# KiCad board FrontEnd_5G.kicad_pcb (continued)
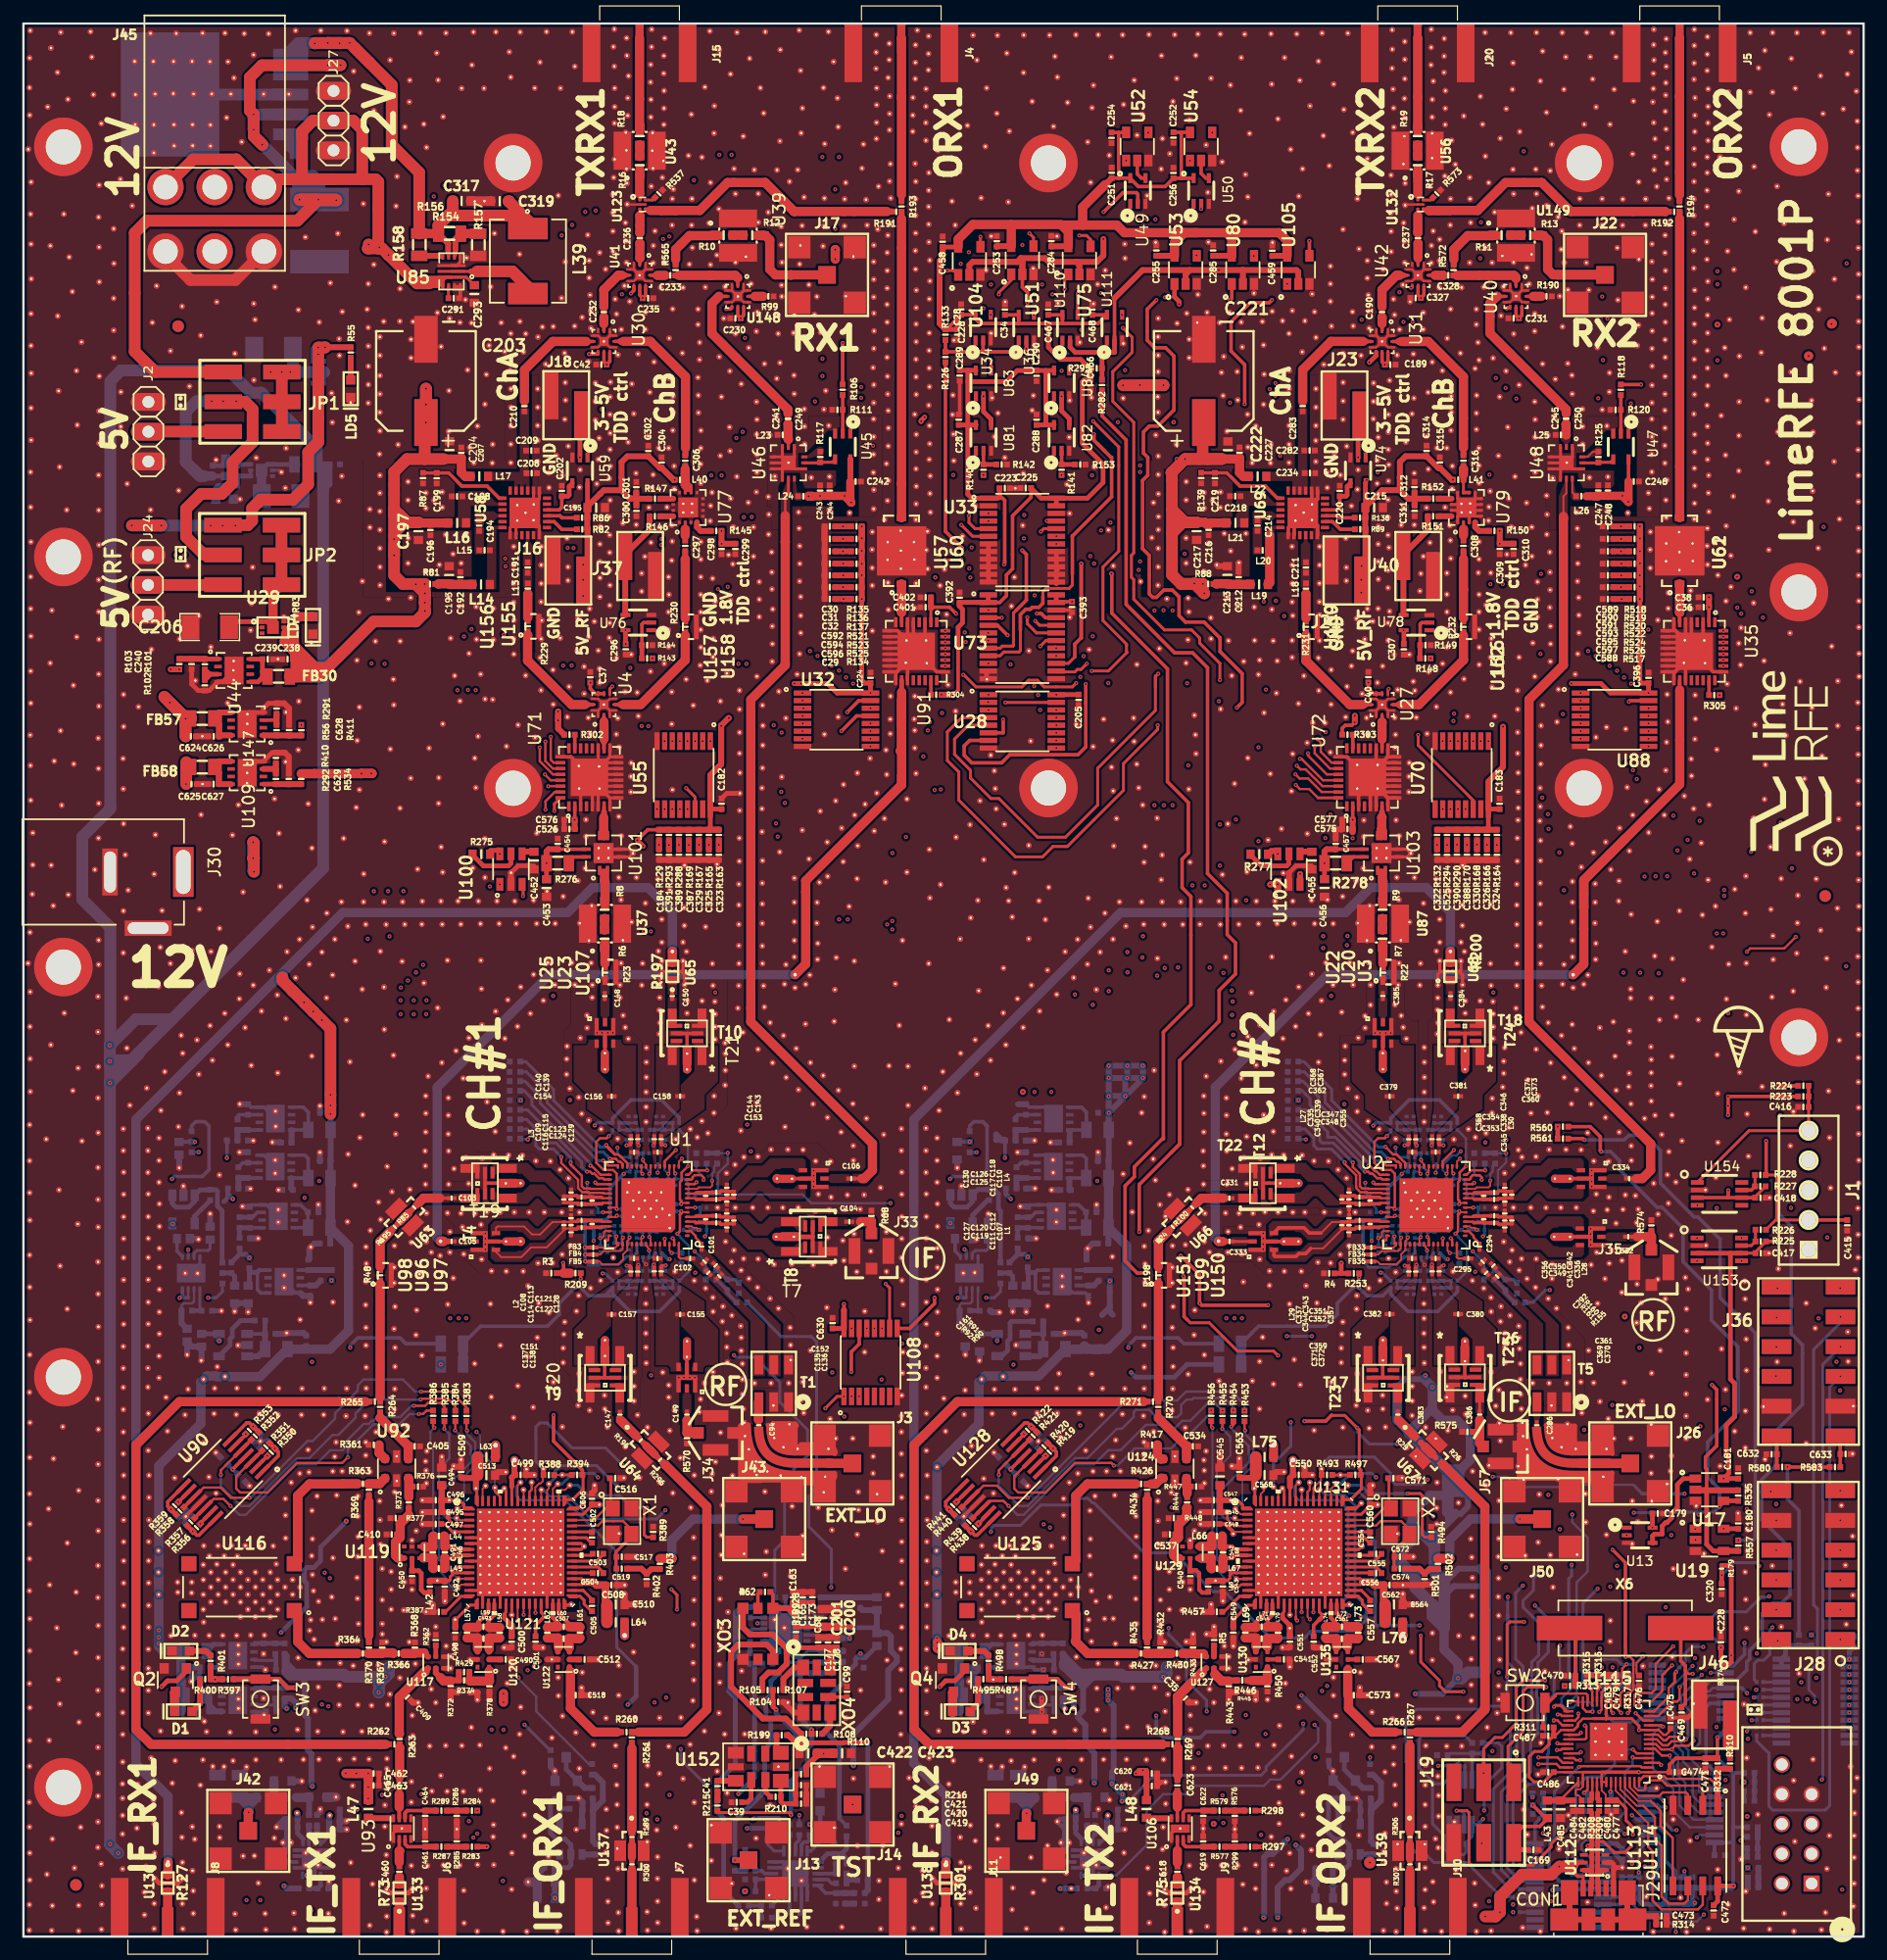
[diagram p0: board, top side]
## Placement (name value [footprint] x y rotation side) (continued)
Ref**#209  Val**  [VIA_600_400]  45.11 33.17 0 top
Ref**#210  Val**  [VIA_600_400]  35.21 19.97 0 top
Ref**#211  Val**  [VIA_600_400]  44.35 33.17 0 top
Ref**#212  Val**  [VIA_600_400]  41.31 21.61 0 top
Ref**#213  Val**  [VIA_600_400]  43.58 33.17 0 top
Ref**#214  Val**  [VIA_600_400]  42.46 19.58 0 top
Ref**#215  Val**  [VIA_600_400]  42.83 33.17 0 top
Ref**#216  Val**  [VIA_600_400]  45.68 20.55 0 top
Ref**#217  Val**  [VIA_600_400]  42.07 33.17 0 top
Ref**#218  Val**  [VIA_600_400]  45.66 22.11 0 top
Ref**#219  Val**  [VIA_600_400]  41.3 33.17 0 top
Ref**#220  Val**  [VIA_600_400]  33.47 23.28 0 top
Ref**#221  Val**  [VIA_600_400]  40.55 33.17 0 top
Ref**#222  Val**  [VIA_600_400]  32.21 23.22 0 top
Ref**#223  Val**  [VIA_600_400]  39.79 33.17 0 top
Ref**#224  Val**  [VIA_600_400]  30.31 23.15 0 top
Ref**#225  Val**  [VIA_600_400]  39.02 33.17 0 top
Ref**#226  Val**  [VIA_600_400]  32.15 22.08 0 top
Ref**#227  Val**  [VIA_600_400]  45.87 33.93 0 top
Ref**#228  Val**  [VIA_600_400]  31.3 20.68 0 top
Ref**#229  Val**  [VIA_600_400]  45.11 33.93 0 top
Ref**#230  Val**  [VIA_600_400]  31.12 19.79 0 top
Ref**#231  Val**  [VIA_600_400]  44.35 33.93 0 top
Ref**#232  Val**  [VIA_600_400]  29.73 19.72 0 top
Ref**#233  Val**  [VIA_600_400]  43.58 33.93 0 top
Ref**#234  Val**  [VIA_600_400]  26.96 19.77 0 top
Ref**#235  Val**  [VIA_600_400]  42.83 33.93 0 top
Ref**#236  Val**  [VIA_600_400]  28.56 19.77 0 top
Ref**#237  Val**  [VIA_600_400]  42.07 33.93 0 top
Ref**#238  Val**  [VIA_600_400]  26.98 21.43 0 top
Ref**#239  Val**  [VIA_600_400]  41.3 33.93 0 top
Ref**#240  Val**  [VIA_600_400]  29.36 23.13 0 top
Ref**#241  Val**  [VIA_600_400]  40.55 33.93 0 top
Ref**#242  Val**  [VIA_600_400]  46.77 28.35 0 top
Ref**#243  Val**  [VIA_600_400]  39.79 33.93 0 top
Ref**#244  Val**  [VIA_600_400]  48.63 19.14 0 top
Ref**#245  Val**  [VIA_600_400]  39.02 33.93 0 top
Ref**#246  Val**  [VIA_600_400]  45.87 34.7 0 top
Ref**#247  Val**  [VIA_600_400]  52.1 24.28 0 top
Ref**#248  Val**  [VIA_600_400]  45.11 34.7 0 top
Ref**#249  Val**  [VIA_600_400]  50.84 23.14 0 top
Ref**#250  Val**  [VIA_600_400]  44.35 34.7 0 top
Ref**#251  Val**  [VIA_600_400]  47.72 22.54 0 top
Ref**#252  Val**  [VIA_600_400]  43.58 34.7 0 top
Ref**#253  Val**  [VIA_600_400]  42.83 34.7 0 top
Ref**#254  Val**  [VIA_600_400]  49.75 18.64 0 top
Ref**#255  Val**  [VIA_600_400]  42.07 34.7 0 top
Ref**#256  Val**  [VIA_600_400]  52.2 18.67 0 top
Ref**#257  Val**  [VIA_600_400]  41.3 34.7 0 top
Ref**#258  Val**  [VIA_600_400]  40.55 34.7 0 top
Ref**#259  Val**  [VIA_600_400]  39.79 34.7 0 top
Ref**#260  Val**  [VIA_600_400]  39.02 34.7 0 top
Ref**#261  Val**  [VIA_600_400]  45.87 35.46 0 top
Ref**#262  Val**  [VIA_600_400]  45.11 35.46 0 top
Ref**#263  Val**  [VIA_600_400]  44.35 35.46 0 top
Ref**#264  Val**  [VIA_600_400]  43.58 35.46 0 top
Ref**#265  Val**  [VIA_600_400]  42.83 35.46 0 top
Ref**#266  Val**  [VIA_600_400]  42.07 35.46 0 top
Ref**#267  Val**  [VIA_600_400]  41.3 35.46 0 top
Ref**#268  Val**  [VIA_600_400]  40.55 35.46 0 top
Ref**#269  Val**  [VIA_600_400]  39.79 35.46 0 top
Ref**#270  Val**  [VIA_600_400]  39.02 35.46 0 top
Ref**#271  Val**  [VIA_600_400]  45.87 36.22 0 top
Ref**#272  Val**  [VIA_600_400]  45.11 36.22 0 top
Ref**#273  Val**  [VIA_600_400]  44.35 36.22 0 top
Ref**#274  Val**  [VIA_600_400]  43.58 36.22 0 top
Ref**#275  Val**  [VIA_600_400]  42.83 36.22 0 top
Ref**#276  Val**  [VIA_600_400]  42.07 36.22 0 top
Ref**#277  Val**  [VIA_600_400]  41.3 36.22 0 top
Ref**#278  Val**  [VIA_600_400]  40.55 36.22 0 top
Ref**#279  Val**  [VIA_600_400]  39.79 36.22 0 top
Ref**#280  Val**  [VIA_600_400]  39.02 36.22 0 top
Ref**#281  Val**  [VIA_600_400]  36.83 34.49 0 top
Ref**#282  Val**  [VIA_600_400]  38.64 38.25 0 top
Ref**#283  Val**  [VIA_600_400]  41.06 38.25 0 top
Ref**#284  Val**  [VIA_600_400]  43.4 38.76 0 top
Ref**#285  Val**  [VIA_600_400]  47.79 36.98 0 top
Ref**#286  Val**  [VIA_600_400#9]  41.93 40.66 0 top
Ref**#287  Val**  [VIA_600_400]  46.01 39.4 0 top
Ref**#288  Val**  [VIA_600_400]  48.77 38.51 0 top
Ref**#289  Val**  [VIA_600_400]  37.08 29.74 0 top
Ref**#290  Val**  [VIA_600_400]  37.12 30.51 0 top
Ref**#291  Val**  [VIA_600_400]  36.99 35.71 0 top
Ref**#292  Val**  [VIA_600_400]  37.05 36.54 0 top
Ref**#293  Val**  [VIA_600_400]  39.46 38.46 0 top
Ref**#294  Val**  [VIA_600_400]  40.26 38.31 0 top
Ref**#295  Val**  [VIA_600_400]  42.7 38.13 0 top
Ref**#296  Val**  [VIA_600_400]  42.45 38.76 0 top
Ref**#297  Val**  [VIA_600_400]  41.19 39.64 0 top
Ref**#298  Val**  [VIA_600_400#9]  40.31 41.93 0 top
Ref**#299  Val**  [VIA_600_400]  43.61 39.39 0 top
Ref**#300  Val**  [VIA_600_400]  44.4 39.91 0 top
Ref**#301  Val**  [VIA_600_400]  44.23 38.13 0 top
Ref**#302  Val**  [VIA_600_400]  44.87 38.63 0 top
Ref**#303  Val**  [VIA_600_400]  45.63 38.63 0 top
Ref**#304  Val**  [VIA_600_400]  46.65 38.51 0 top
Ref**#305  Val**  [VIA_600_400]  49.18 36.86 0 top
Ref**#306  Val**  [VIA_600_400]  51.27 39.14 0 top
Ref**#307  Val**  [VIA_600_400]  52.24 32.41 0 top
Ref**#308  Val**  [VIA_600_400]  50.85 34.39 0 top
Ref**#309  Val**  [VIA_600_400]  35.34 30.38 0 top
Ref**#310  Val**  [VIA_600_400]  36.36 36.22 0 top
Ref**#311  Val**  [VIA_600_400]  42.96 39.89 0 top
Ref**#312  Val**  [VIA_600_400]  48.35 44.91 0 top
Ref**#313  Val**  [VIA_600_400]  46.02 43.5 0 top
Ref**#314  Val**  [VIA_600_400]  36.36 37.24 0 top
Ref**#315  Val**  [VIA_600_400]  103.82 40.8 0 top
Ref**#316  Val**  [VIA_600_400]  103.19 40.16 0 top
Ref**#317  Val**  [VIA_600_400#9]  106.75 41.94 0 top
Ref**#318  Val**  [VIA_600_400]  105.92 38.37 0 top
Ref**#319  Val**  [VIA_600_400]  107.64 39.65 0 top
Ref**#320  Val**  [VIA_600_400]  106.74 38.38 0 top
Ref**#321  Val**  [VIA_600_400]  102.17 41.17 0 top
Ref**#322  Val**  [VIA_600_400]  107.5 38.25 0 top
Ref**#323  Val**  [VIA_600_400]  105.1 38.25 0 top
Ref**#324  Val**  [VIA_600_400]  108.9 38.76 0 top
Ref**#325  Val**  [VIA_600_400]  109.15 38.13 0 top
Ref**#326  Val**  [VIA_600_400]  110.05 39.39 0 top
Ref**#327  Val**  [VIA_600_400]  109.84 38.75 0 top
Ref**#328  Val**  [VIA_600_400]  110.68 38.13 0 top
Ref**#329  Val**  [VIA_600_400]  111.31 38.63 0 top
Ref**#330  Val**  [VIA_600_400]  112.08 38.63 0 top
Ref**#331  Val**  [VIA_600_400]  113.1 38.51 0 top
Ref**#332  Val**  [VIA_600_400]  112.46 39.39 0 top
Ref**#333  Val**  [VIA_600_400]  109.41 40.03 0 top
Ref**#334  Val**  [VIA_600_400]  114.91 43.38 0 top
Ref**#335  Val**  [VIA_600_400]  110.84 39.91 0 top
Ref**#336  Val**  [VIA_600_400]  114.24 36.98 0 top
Ref**#337  Val**  [VIA_600_400]  115.64 36.85 0 top
Ref**#338  Val**  [VIA_600_400]  115.21 38.51 0 top
Ref**#339  Val**  [VIA_600_400]  117.72 39.15 0 top
Ref**#340  Val**  [VIA_600_400]  117.32 34.38 0 top
Ref**#341  Val**  [VIA_600_400]  117.8 30 0 top
Ref**#342  Val**  [VIA_600_400]  118.68 32.41 0 top
Ref**#343  Val**  [VIA_600_400]  117.79 29.24 0 top
Ref**#344  Val**  [VIA_600_400]  118.68 28.35 0 top
Ref**#345  Val**  [VIA_600_400#9]  117.8 25.69 0 top
Ref**#346  Val**  [VIA_600_400#9]  51.34 25.69 0 top
Ref**#347  Val**  [VIA_600_400]  113.22 28.35 0 top
Ref**#348  Val**  [VIA_600_400#9]  108.4 40.67 0 top
Ref**#349  Val**  [VIA_600_400]  100.52 37.23 0 top
Ref**#350  Val**  [VIA_600_400]  100.52 36.22 0 top
Ref**#351  Val**  [VIA_600_400]  100.52 35.2 0 top
Ref**#352  Val**  [VIA_600_400]  103.06 37.23 0 top
Ref**#353  Val**  [VIA_600_400]  102.81 36.22 0 top
Ref**#354  Val**  [VIA_600_400]  103.49 36.49 0 top
Ref**#355  Val**  [VIA_600_400]  103.44 35.71 0 top
Ref**#356  Val**  [VIA_600_400]  103.3 34.38 0 top
Ref**#357  Val**  [VIA_600_400]  102.43 28.64 0 top
Ref**#358  Val**  [VIA_600_400]  101.79 30.37 0 top
Ref**#359  Val**  [VIA_600_400]  99.63 29.62 0 top
Ref**#360  Val**  [VIA_600_400]  99 30.25 0 top
Ref**#361  Val**  [VIA_600_400]  101.41 28.35 0 top
Ref**#362  Val**  [VIA_600_400]  100.77 27.71 0 top
Ref**#363  Val**  [VIA_600_400]  101.67 26.44 0 top
Ref**#364  Val**  [VIA_600_400]  101.02 25.81 0 top
Ref**#365  Val**  [VIA_600_400]  99.88 25.81 0 top
Ref**#366  Val**  [VIA_600_400]  99.29 25.17 0 top
Ref**#367  Val**  [VIA_600_400]  98.92 27.85 0 top
Ref**#368  Val**  [VIA_600_400]  97.85 27.92 0 top
Ref**#369  Val**  [VIA_600_400]  97.1 26.7 0 top
Ref**#370  Val**  [VIA_600_400]  97.09 25.81 0 top
Ref**#371  Val**  [VIA_600_400]  97.44 25.14 0 top
Ref**#372  Val**  [VIA_600_400]  103.31 24.79 0 top
Ref**#373  Val**  [VIA_600_400]  102.55 24.79 0 top
Ref**#374  Val**  [VIA_600_400]  97.85 29.62 0 top
Ref**#375  Val**  [VIA_600_400]  97.09 28.73 0 top
Ref**#376  Val**  [VIA_600_400]  96.91 31.43 0 top
Ref**#377  Val**  [VIA_600_400]  97.85 31.14 0 top
Ref**#378  Val**  [VIA_600_400]  94.88 25.22 0 top
Ref**#379  Val**  [VIA_600_400]  93.25 24.99 0 top
Ref**#380  Val**  [VIA_600_400]  94.98 28.82 0 top
Ref**#381  Val**  [VIA_600_400]  94.93 30.63 0 top
Ref**#382  Val**  [VIA_600_400]  94.98 32.43 0 top
Ref**#383  Val**  [VIA_600_400]  96.93 33.48 0 top
Ref**#384  Val**  [VIA_600_400]  99.63 33.81 0 top
Ref**#385  Val**  [VIA_600_400]  95.02 34.13 0 top
Ref**#386  Val**  [VIA_600_400]  96.88 35.47 0 top
Ref**#387  Val**  [VIA_600_400]  95 35.87 0 top
Ref**#388  Val**  [VIA_600_400]  99.99 34.63 0 top
Ref**#389  Val**  [VIA_600_400]  96.86 37.17 0 top
Ref**#390  Val**  [VIA_600_400]  98.32 38.88 0 top
Ref**#391  Val**  [VIA_600_400]  100.85 38.69 0 top
Ref**#392  Val**  [VIA_600_400]  100.83 39.78 0 top
Ref**#393  Val**  [VIA_600_400]  100.8 40.66 0 top
Ref**#394  Val**  [VIA_600_400]  100.99 41.43 0 top
Ref**#395  Val**  [VIA_600_400]  98.32 40.99 0 top
Ref**#396  Val**  [VIA_600_400]  118.55 24.29 0 top
Ref**#397  Val**  [VIA_600_400]  117.29 23.14 0 top
Ref**#398  Val**  [VIA_600_400]  117.28 20.6 0 top
Ref**#399  Val**  [VIA_600_400]  119.19 18.69 0 top
Ref**#400  Val**  [VIA_600_400]  116.9 18.57 0 top
Ref**#401  Val**  [VIA_600_400]  111.86 20.57 0 top
Ref**#402  Val**  [VIA_600_400]  111.86 22.11 0 top
Ref**#403  Val**  [VIA_600_400]  114.11 21.24 0 top
Ref**#404  Val**  [VIA_600_400]  114.75 20.6 0 top
Ref**#405  Val**  [VIA_600_400]  114.16 22.54 0 top
Ref**#406  Val**  [VIA_600_400]  115.51 23.65 0 top
Ref**#407  Val**  [VIA_600_400]  110.81 24.66 0 top
Ref**#408  Val**  [VIA_600_400]  111.57 23.65 0 top
Ref**#409  Val**  [VIA_600_400]  108.14 23.01 0 top
Ref**#410  Val**  [VIA_600_400]  107.76 21.61 0 top
Ref**#411  Val**  [VIA_600_400]  108.9 19.58 0 top
Ref**#412  Val**  [VIA_600_400]  106.23 20.22 0 top
Ref**#413  Val**  [VIA_600_400]  105.22 20.21 0 top
Ref**#414  Val**  [VIA_600_400]  102.93 20.22 0 top
Ref**#415  Val**  [VIA_600_400]  103.57 20.85 0 top
Ref**#416  Val**  [VIA_600_400]  104.58 20.85 0 top
Ref**#417  Val**  [VIA_600_400]  108.14 27.45 0 top
Ref**#418  Val**  [VIA_600_400]  107.51 24.66 0 top
Ref**#419  Val**  [VIA_600_400]  108.14 26.32 0 top
Ref**#420  Val**  [VIA_600_400]  104.6 23.62 0 top
Ref**#421  Val**  [VIA_600_400]  102.93 23.89 0 top
Ref**#422  Val**  [VIA_600_400]  102.93 22.89 0 top
Ref**#423  Val**  [VIA_600_400]  95.69 42.19 0 top
Ref**#424  Val**  [VIA_600_400]  95.67 41.09 0 top
Ref**#425  Val**  [VIA_600_400]  93.01 40.96 0 top
Ref**#426  Val**  [VIA_600_400]  93.27 42.37 0 top
Ref**#427  Val**  [VIA_600_400]  88.82 35.95 0 top
Ref**#428  Val**  [VIA_600_400]  90.24 46.76 0 top
Ref**#429  Val**  [VIA_600_400]  92.14 46.77 0 top
Ref**#430  Val**  [VIA_600_400]  94.05 46.76 0 top
Ref**#431  Val**  [VIA_600_400]  95.7 46.76 0 top
Ref**#432  Val**  [VIA_600_400]  95 37.59 0 top
Ref**#433  Val**  [VIA_600_400]  93.19 37.66 0 top
Ref**#434  Val**  [VIA_600_400]  91.5 37.59 0 top
Ref**#435  Val**  [VIA_600_400]  91.07 36.35 0 top
Ref**#436  Val**  [VIA_600_400]  96.5 43.1 0 top
Ref**#437  Val**  [VIA_600_400]  99.21 43.42 0 top
Ref**#438  Val**  [VIA_600_400]  91.11 33.93 0 top
Ref**#439  Val**  [VIA_600_400]  89.31 38.75 0 top
Ref**#440  Val**  [VIA_600_400]  91.05 32.49 0 top
Ref**#441  Val**  [VIA_600_400]  88.82 37.37 0 top
Ref**#442  Val**  [VIA_600_400]  91.11 30.88 0 top
Ref**#443  Val**  [VIA_600_400]  91.2 29.5 0 top
Ref**#444  Val**  [VIA_600_400]  88.83 34 0 top
Ref**#445  Val**  [VIA_600_400]  91.59 28.61 0 top
Ref**#446  Val**  [VIA_600_400]  92.77 28.98 0 top
Ref**#447  Val**  [VIA_600_400]  92.32 27.12 0 top
Ref**#448  Val**  [VIA_600_400]  93.07 27.13 0 top
Ref**#449  Val**  [VIA_600_400]  91.2 25.18 0 top
Ref**#450  Val**  [VIA_600_400]  94.6 23.09 0 top
Ref**#451  Val**  [VIA_600_400]  93.43 21.19 0 top
Ref**#452  Val**  [VIA_600_400]  91.66 21.19 0 top
Ref**#453  Val**  [VIA_600_400]  96.7 23.12 0 top
Ref**#454  Val**  [VIA_600_400]  98.66 23.21 0 top
Ref**#455  Val**  [VIA_600_400]  99.93 23.29 0 top
Ref**#456  Val**  [VIA_600_400]  98.59 22.07 0 top
Ref**#457  Val**  [VIA_600_400]  97.49 19.22 0 top
Ref**#458  Val**  [VIA_600_400]  101.28 21.11 0 top
Ref**#459  Val**  [VIA_600_400]  100.14 19.97 0 top
Ref**#460  Val**  [VIA_600_400]  101.65 19.97 0 top
Ref**#461  Val**  [VIA_600_400]  99.75 16.28 0 top
Ref**#462  Val**  [VIA_600_400]  101.13 16.27 0 top
Ref**#463  Val**  [VIA_600_400]  97.73 20.67 0 top
Ref**#464  Val**  [VIA_600_400]  103.57 30.51 0 top
Ref**#465  Val**  [VIA_600_400]  103.31 29.87 0 top
Ref**#466  Val**  [VIA_600_400]  114.29 33.3 0 top
Ref**#467  Val**  [VIA_600_400]  114.36 30.25 0 top
Ref**#468  Val**  [VIA_600_400]  90.06 29.82 0 top
Ref**#469  Val**  [VIA_600_400]  88.78 29.82 0 top
Ref**#470  Val**  [VIA_600_400]  87.52 29.82 0 top
Ref**#471  Val**  [VIA_600_400]  86.25 29.82 0 top
Ref**#472  Val**  [VIA_600_400]  84.98 29.82 0 top
Ref**#473  Val**  [VIA_600_400]  83.71 29.82 0 top
Ref**#474  Val**  [VIA_600_400]  82.44 29.82 0 top
Ref**#475  Val**  [VIA_600_400]  81.8 30.45 0 top
Ref**#476  Val**  [VIA_600_400]  89.42 30.45 0 top
Ref**#477  Val**  [VIA_600_400]  86.88 30.45 0 top
Ref**#478  Val**  [VIA_600_400]  88.14 30.45 0 top
Ref**#479  Val**  [VIA_600_400]  84.34 30.45 0 top
Ref**#480  Val**  [VIA_600_400]  83.07 30.45 0 top
Ref**#481  Val**  [VIA_600_400]  85.61 30.45 0 top
Ref**#482  Val**  [VIA_600_400]  81.8 29.19 0 top
Ref**#483  Val**  [VIA_600_400]  89.42 29.19 0 top
Ref**#484  Val**  [VIA_600_400]  86.88 29.19 0 top
Ref**#485  Val**  [VIA_600_400]  88.14 29.19 0 top
Ref**#486  Val**  [VIA_600_400]  84.34 29.19 0 top
Ref**#487  Val**  [VIA_600_400]  83.07 29.19 0 top
Ref**#488  Val**  [VIA_600_400]  85.61 29.19 0 top
Ref**#489  Val**  [VIA_600_400]  82.44 28.55 0 top
Ref**#490  Val**  [VIA_600_400]  87.52 28.55 0 top
Ref**#491  Val**  [VIA_600_400]  84.98 28.55 0 top
Ref**#492  Val**  [VIA_600_400]  83.71 28.55 0 top
Ref**#493  Val**  [VIA_600_400]  86.25 28.55 0 top
Ref**#494  Val**  [VIA_600_400]  84.98 31.09 0 top
Ref**#495  Val**  [VIA_600_400]  87.52 31.09 0 top
Ref**#496  Val**  [VIA_600_400]  83.71 31.09 0 top
Ref**#497  Val**  [VIA_600_400]  86.25 31.09 0 top
Ref**#498  Val**  [VIA_600_400]  82.44 31.09 0 top
Ref**#499  Val**  [VIA_600_400]  85.61 27.92 0 top
Ref**#500  Val**  [VIA_600_400]  88.15 27.92 0 top
Ref**#501  Val**  [VIA_600_400]  86.88 27.92 0 top
Ref**#502  Val**  [VIA_600_400]  84.97 27.28 0 top
Ref**#503  Val**  [VIA_600_400]  87.51 27.28 0 top
Ref**#504  Val**  [VIA_600_400]  86.24 27.28 0 top
Ref**#505  Val**  [VIA_600_400]  81.8 31.73 0 top
Ref**#506  Val**  [VIA_600_400]  84.34 31.73 0 top
Ref**#507  Val**  [VIA_600_400]  82.96 31.77 0 top
Ref**#508  Val**  [VIA_600_400]  82.32 32.47 0 top
Ref**#509  Val**  [VIA_600_400]  84.71 32.45 0 top
Ref**#510  Val**  [VIA_600_400]  83.59 32.47 0 top
Ref**#511  Val**  [VIA_600_400]  88.07 31.85 0 top
Ref**#512  Val**  [VIA_600_400]  87.77 33.33 0 top
Ref**#513  Val**  [VIA_600_400]  83.05 33.35 0 top
Ref**#514  Val**  [VIA_600_400]  86.59 33.33 0 top
Ref**#515  Val**  [VIA_600_400]  84.21 33.36 0 top
Ref**#516  Val**  [VIA_600_400]  85.39 33.36 0 top
Ref**#517  Val**  [VIA_600_400]  81.84 33.35 0 top
Ref**#518  Val**  [VIA_600_400]  81.83 26.83 0 top
Ref**#519  Val**  [VIA_600_400]  81.8 27.91 0 top
Ref**#520  Val**  [VIA_600_400]  80.8 29.33 0 top
Ref**#521  Val**  [VIA_600_400]  79.62 29.38 0 top
Ref**#522  Val**  [VIA_600_400]  79.61 30.24 0 top
Ref**#523  Val**  [VIA_600_400]  80.81 30.24 0 top
Ref**#524  Val**  [VIA_600_400]  79.95 12.03 0 top
Ref**#525  Val**  [VIA_600_400]  74.97 9.61 0 top
Ref**#526  Val**  [VIA_600_400]  74.71 5.85 0 top
Ref**#527  Val**  [VIA_600_400]  79.03 25.67 0 top
Ref**#528  Val**  [VIA_600_400]  140.63 39.73 0 top
Ref**#529  Val**  [VIA_600_400]  103.31 27.08 0 top
Ref**#530  Val**  [VIA_600_400]  110.79 30.12 0 top
Ref**#531  Val**  [VIA_600_400]  108.51 30.12 0 top
Ref**#532  Val**  [VIA_600_400]  107.74 30.12 0 top
Ref**#533  Val**  [VIA_600_400]  105.47 29.36 0 top
Ref**#534  Val**  [VIA_600_400]  109.28 29.36 0 top
Ref**#535  Val**  [VIA_600_400]  108.52 29.36 0 top
Ref**#536  Val**  [VIA_600_400]  112.31 30.12 0 top
Ref**#537  Val**  [VIA_600_400]  111.56 29.36 0 top
Ref**#538  Val**  [VIA_600_400]  107.75 29.36 0 top
Ref**#539  Val**  [VIA_600_400]  112.32 29.36 0 top
Ref**#540  Val**  [VIA_600_400]  110.03 29.36 0 top
Ref**#541  Val**  [VIA_600_400]  111.55 30.12 0 top
Ref**#542  Val**  [VIA_600_400]  110.8 29.36 0 top
Ref**#543  Val**  [VIA_600_400]  110.02 30.12 0 top
Ref**#544  Val**  [VIA_600_400]  107 29.36 0 top
Ref**#545  Val**  [VIA_600_400]  106.24 29.36 0 top
Ref**#546  Val**  [VIA_600_400]  109.27 30.12 0 top
Ref**#547  Val**  [VIA_600_400]  105.46 30.12 0 top
Ref**#548  Val**  [VIA_600_400]  106.23 30.12 0 top
Ref**#549  Val**  [VIA_600_400]  106.99 30.12 0 top
Ref**#550  Val**  [VIA_600_400]  110.8 31.65 0 top
Ref**#551  Val**  [VIA_600_400]  108.52 31.65 0 top
Ref**#552  Val**  [VIA_600_400]  107.75 31.65 0 top
Ref**#553  Val**  [VIA_600_400]  105.48 30.89 0 top
Ref**#554  Val**  [VIA_600_400]  109.29 30.89 0 top
Ref**#555  Val**  [VIA_600_400]  108.53 30.89 0 top
Ref**#556  Val**  [VIA_600_400]  112.32 31.65 0 top
Ref**#557  Val**  [VIA_600_400]  111.57 30.89 0 top
Ref**#558  Val**  [VIA_600_400]  107.76 30.89 0 top
Ref**#559  Val**  [VIA_600_400]  112.33 30.89 0 top
Ref**#560  Val**  [VIA_600_400]  110.04 30.89 0 top
Ref**#561  Val**  [VIA_600_400]  111.56 31.65 0 top
Ref**#562  Val**  [VIA_600_400]  110.81 30.89 0 top
Ref**#563  Val**  [VIA_600_400]  110.03 31.65 0 top
Ref**#564  Val**  [VIA_600_400]  107.01 30.89 0 top
Ref**#565  Val**  [VIA_600_400]  106.25 30.89 0 top
Ref**#566  Val**  [VIA_600_400]  109.28 31.65 0 top
Ref**#567  Val**  [VIA_600_400]  105.47 31.65 0 top
Ref**#568  Val**  [VIA_600_400]  106.24 31.65 0 top
Ref**#569  Val**  [VIA_600_400]  107 31.65 0 top
Ref**#570  Val**  [VIA_600_400]  110.79 33.17 0 top
Ref**#571  Val**  [VIA_600_400]  108.51 33.17 0 top
Ref**#572  Val**  [VIA_600_400]  107.74 33.17 0 top
Ref**#573  Val**  [VIA_600_400]  105.47 32.41 0 top
Ref**#574  Val**  [VIA_600_400]  109.28 32.41 0 top
Ref**#575  Val**  [VIA_600_400]  108.52 32.41 0 top
Ref**#576  Val**  [VIA_600_400]  112.31 33.17 0 top
Ref**#577  Val**  [VIA_600_400]  111.56 32.41 0 top
Ref**#578  Val**  [VIA_600_400]  107.75 32.41 0 top
Ref**#579  Val**  [VIA_600_400]  112.32 32.41 0 top
Ref**#580  Val**  [VIA_600_400]  110.03 32.41 0 top
Ref**#581  Val**  [VIA_600_400]  111.55 33.17 0 top
Ref**#582  Val**  [VIA_600_400]  110.8 32.41 0 top
Ref**#583  Val**  [VIA_600_400]  110.02 33.17 0 top
Ref**#584  Val**  [VIA_600_400]  107 32.41 0 top
Ref**#585  Val**  [VIA_600_400]  106.24 32.41 0 top
Ref**#586  Val**  [VIA_600_400]  109.27 33.17 0 top
Ref**#587  Val**  [VIA_600_400]  105.46 33.17 0 top
Ref**#588  Val**  [VIA_600_400]  106.23 33.17 0 top
Ref**#589  Val**  [VIA_600_400]  106.99 33.17 0 top
Ref**#590  Val**  [VIA_600_400]  110.79 34.69 0 top
Ref**#591  Val**  [VIA_600_400]  108.51 34.69 0 top
Ref**#592  Val**  [VIA_600_400]  107.74 34.69 0 top
Ref**#593  Val**  [VIA_600_400]  105.47 33.93 0 top
Ref**#594  Val**  [VIA_600_400]  109.28 33.93 0 top
Ref**#595  Val**  [VIA_600_400]  108.52 33.93 0 top
Ref**#596  Val**  [VIA_600_400]  112.31 34.69 0 top
Ref**#597  Val**  [VIA_600_400]  111.56 33.93 0 top
Ref**#598  Val**  [VIA_600_400]  107.75 33.93 0 top
Ref**#599  Val**  [VIA_600_400]  112.32 33.93 0 top
Ref**#600  Val**  [VIA_600_400]  110.03 33.93 0 top
Ref**#601  Val**  [VIA_600_400]  111.55 34.69 0 top
Ref**#602  Val**  [VIA_600_400]  110.8 33.93 0 top
Ref**#603  Val**  [VIA_600_400]  110.02 34.69 0 top
Ref**#604  Val**  [VIA_600_400]  107 33.93 0 top
Ref**#605  Val**  [VIA_600_400]  106.24 33.93 0 top
Ref**#606  Val**  [VIA_600_400]  109.27 34.69 0 top
Ref**#607  Val**  [VIA_600_400]  105.46 34.69 0 top
Ref**#608  Val**  [VIA_600_400]  106.23 34.69 0 top
Ref**#609  Val**  [VIA_600_400]  106.99 34.69 0 top
Ref**#610  Val**  [VIA_600_400]  110.79 36.22 0 top
Ref**#611  Val**  [VIA_600_400]  108.51 36.22 0 top
Ref**#612  Val**  [VIA_600_400]  107.74 36.22 0 top
Ref**#613  Val**  [VIA_600_400]  105.47 35.46 0 top
Ref**#614  Val**  [VIA_600_400]  109.28 35.46 0 top
Ref**#615  Val**  [VIA_600_400]  108.52 35.46 0 top
Ref**#616  Val**  [VIA_600_400]  112.31 36.22 0 top
Ref**#617  Val**  [VIA_600_400]  111.56 35.46 0 top
Ref**#618  Val**  [VIA_600_400]  107.75 35.46 0 top
Ref**#619  Val**  [VIA_600_400]  112.32 35.46 0 top
Ref**#620  Val**  [VIA_600_400]  110.03 35.46 0 top
Ref**#621  Val**  [VIA_600_400]  111.55 36.22 0 top
Ref**#622  Val**  [VIA_600_400]  110.8 35.46 0 top
Ref**#623  Val**  [VIA_600_400]  110.02 36.22 0 top
Ref**#624  Val**  [VIA_600_400]  107 35.46 0 top
Ref**#625  Val**  [VIA_600_400]  106.24 35.46 0 top
Ref**#626  Val**  [VIA_600_400]  109.27 36.22 0 top
Ref**#627  Val**  [VIA_600_400]  105.46 36.22 0 top
Ref**#628  Val**  [VIA_600_400]  106.23 36.22 0 top
Ref**#629  Val**  [VIA_600_400]  106.99 36.22 0 top
Ref**#630  Val**  [VIA_600_400]  104.23 66.47 0 top
Ref**#631  Val**  [VIA_600_400]  105.61 66.41 0 top
Ref**#632  Val**  [VIA_600_400]  106.59 66.71 0 top
Ref**#633  Val**  [VIA_600_400]  107.62 66.69 0 top
Ref**#634  Val**  [VIA_600_400]  109.19 66.68 0 top
Ref**#635  Val**  [VIA_600_400]  112.98 64.72 0 top
Ref**#636  Val**  [VIA_600_400]  112.26 65.44 0 top
Ref**#637  Val**  [VIA_600_400]  111.44 66.17 0 top
Ref**#638  Val**  [VIA_600_400]  110.2 66.19 0 top
Ref**#639  Val**  [VIA_600_400]  108.9 64.29 0 top
Ref**#640  Val**  [VIA_600_400]  103.8 61.72 0 top
Ref**#641  Val**  [VIA_600_400]  104.99 61.72 0 top
Ref**#642  Val**  [VIA_600_400]  106.01 61.85 0 top
Ref**#643  Val**  [VIA_600_400]  107.14 61.82 0 top
Ref**#644  Val**  [VIA_600_400]  108.39 61.81 0 top
Ref**#645  Val**  [VIA_600_400]  109.42 61.81 0 top
Ref**#646  Val**  [VIA_600_400]  111.08 61.82 0 top
Ref**#647  Val**  [VIA_600_400]  112.4 61.81 0 top
Ref**#648  Val**  [VIA_600_400]  113.71 61.81 0 top
Ref**#649  Val**  [VIA_600_400]  104.46 64.26 0 top
Ref**#650  Val**  [VIA_600_400]  102.75 64.2 0 top
Ref**#651  Val**  [VIA_600_400]  97.86 63.31 0 top
Ref**#652  Val**  [VIA_600_400]  113.16 58.94 0 top
Ref**#653  Val**  [VIA_600_400]  112.44 58.21 0 top
Ref**#654  Val**  [VIA_600_400]  111.62 57.48 0 top
Ref**#655  Val**  [VIA_600_400]  110.54 57.54 0 top
Ref**#656  Val**  [VIA_600_400]  109.12 56.77 0 top
Ref**#657  Val**  [VIA_600_400]  107.67 56.77 0 top
Ref**#658  Val**  [VIA_600_400]  106.41 56.8 0 top
Ref**#659  Val**  [VIA_600_400]  108.87 59.32 0 top
Ref**#660  Val**  [VIA_600_400]  102.65 61.75 0 top
Ref**#661  Val**  [VIA_600_400]  100.77 64.2 0 top
Ref**#662  Val**  [VIA_600_400]  119.58 55.28 0 top
Ref**#663  Val**  [VIA_600_400]  119.59 54.01 0 top
Ref**#664  Val**  [VIA_600_400]  119.6 52.75 0 top
Ref**#665  Val**  [VIA_600_400]  119.59 51.48 0 top
Ref**#666  Val**  [VIA_600_400]  119.6 50.28 0 top
Ref**#667  Val**  [VIA_600_400]  119.62 48.94 0 top
Ref**#668  Val**  [VIA_600_400]  117.18 56.7 0 top
Ref**#669  Val**  [VIA_600_400]  115.84 55.99 0 top
Ref**#670  Val**  [VIA_600_400]  114.88 55.33 0 top
Ref**#671  Val**  [VIA_600_400]  113.86 54.7 0 top
Ref**#672  Val**  [VIA_600_400]  113.84 53.56 0 top
Ref**#673  Val**  [VIA_600_400]  112.66 52.45 0 top
Ref**#674  Val**  [VIA_600_400]  112.58 51.4 0 top
Ref**#675  Val**  [VIA_600_400]  112.53 50.22 0 top
Ref**#676  Val**  [VIA_600_400]  112.53 48.98 0 top
Ref**#677  Val**  [VIA_600_400]  116.09 50.9 0 top
Ref**#678  Val**  [VIA_600_400]  113.89 48.04 0 top
Ref**#679  Val**  [VIA_600_400]  118.58 48.2 0 top
Ref**#680  Val**  [VIA_600_400]  156.42 56.9 0 top
Ref**#681  Val**  [VIA_600_400]  127.84 48.89 0 top
Ref**#682  Val**  [VIA_600_400]  127.83 47.55 0 top
Ref**#683  Val**  [VIA_600_400]  127.85 46.27 0 top
Ref**#684  Val**  [VIA_600_400]  127.91 45.03 0 top
Ref**#685  Val**  [VIA_600_400]  127.99 43.85 0 top
Ref**#686  Val**  [VIA_600_400]  105.27 74.37 0 top
Ref**#687  Val**  [VIA_600_400]  110.45 54.07 0 top
Ref**#688  Val**  [VIA_600_400#7]  118.18 78.59 0 top
Ref**#689  Val**  [VIA_600_400]  113.81 45.33 0 top
Ref**#690  Val**  [VIA_600_400]  109.03 47.09 0 top
Ref**#691  Val**  [VIA_600_400]  156.72 64.29 0 top
Ref**#692  Val**  [VIA_600_400]  156.72 66.25 0 top
Ref**#693  Val**  [VIA_600_400]  156.7 68.5 0 top
Ref**#694  Val**  [VIA_600_400]  156.7 70.74 0 top
